# Altium PCB RF.PcbDoc (part 4 of 5) (continued)
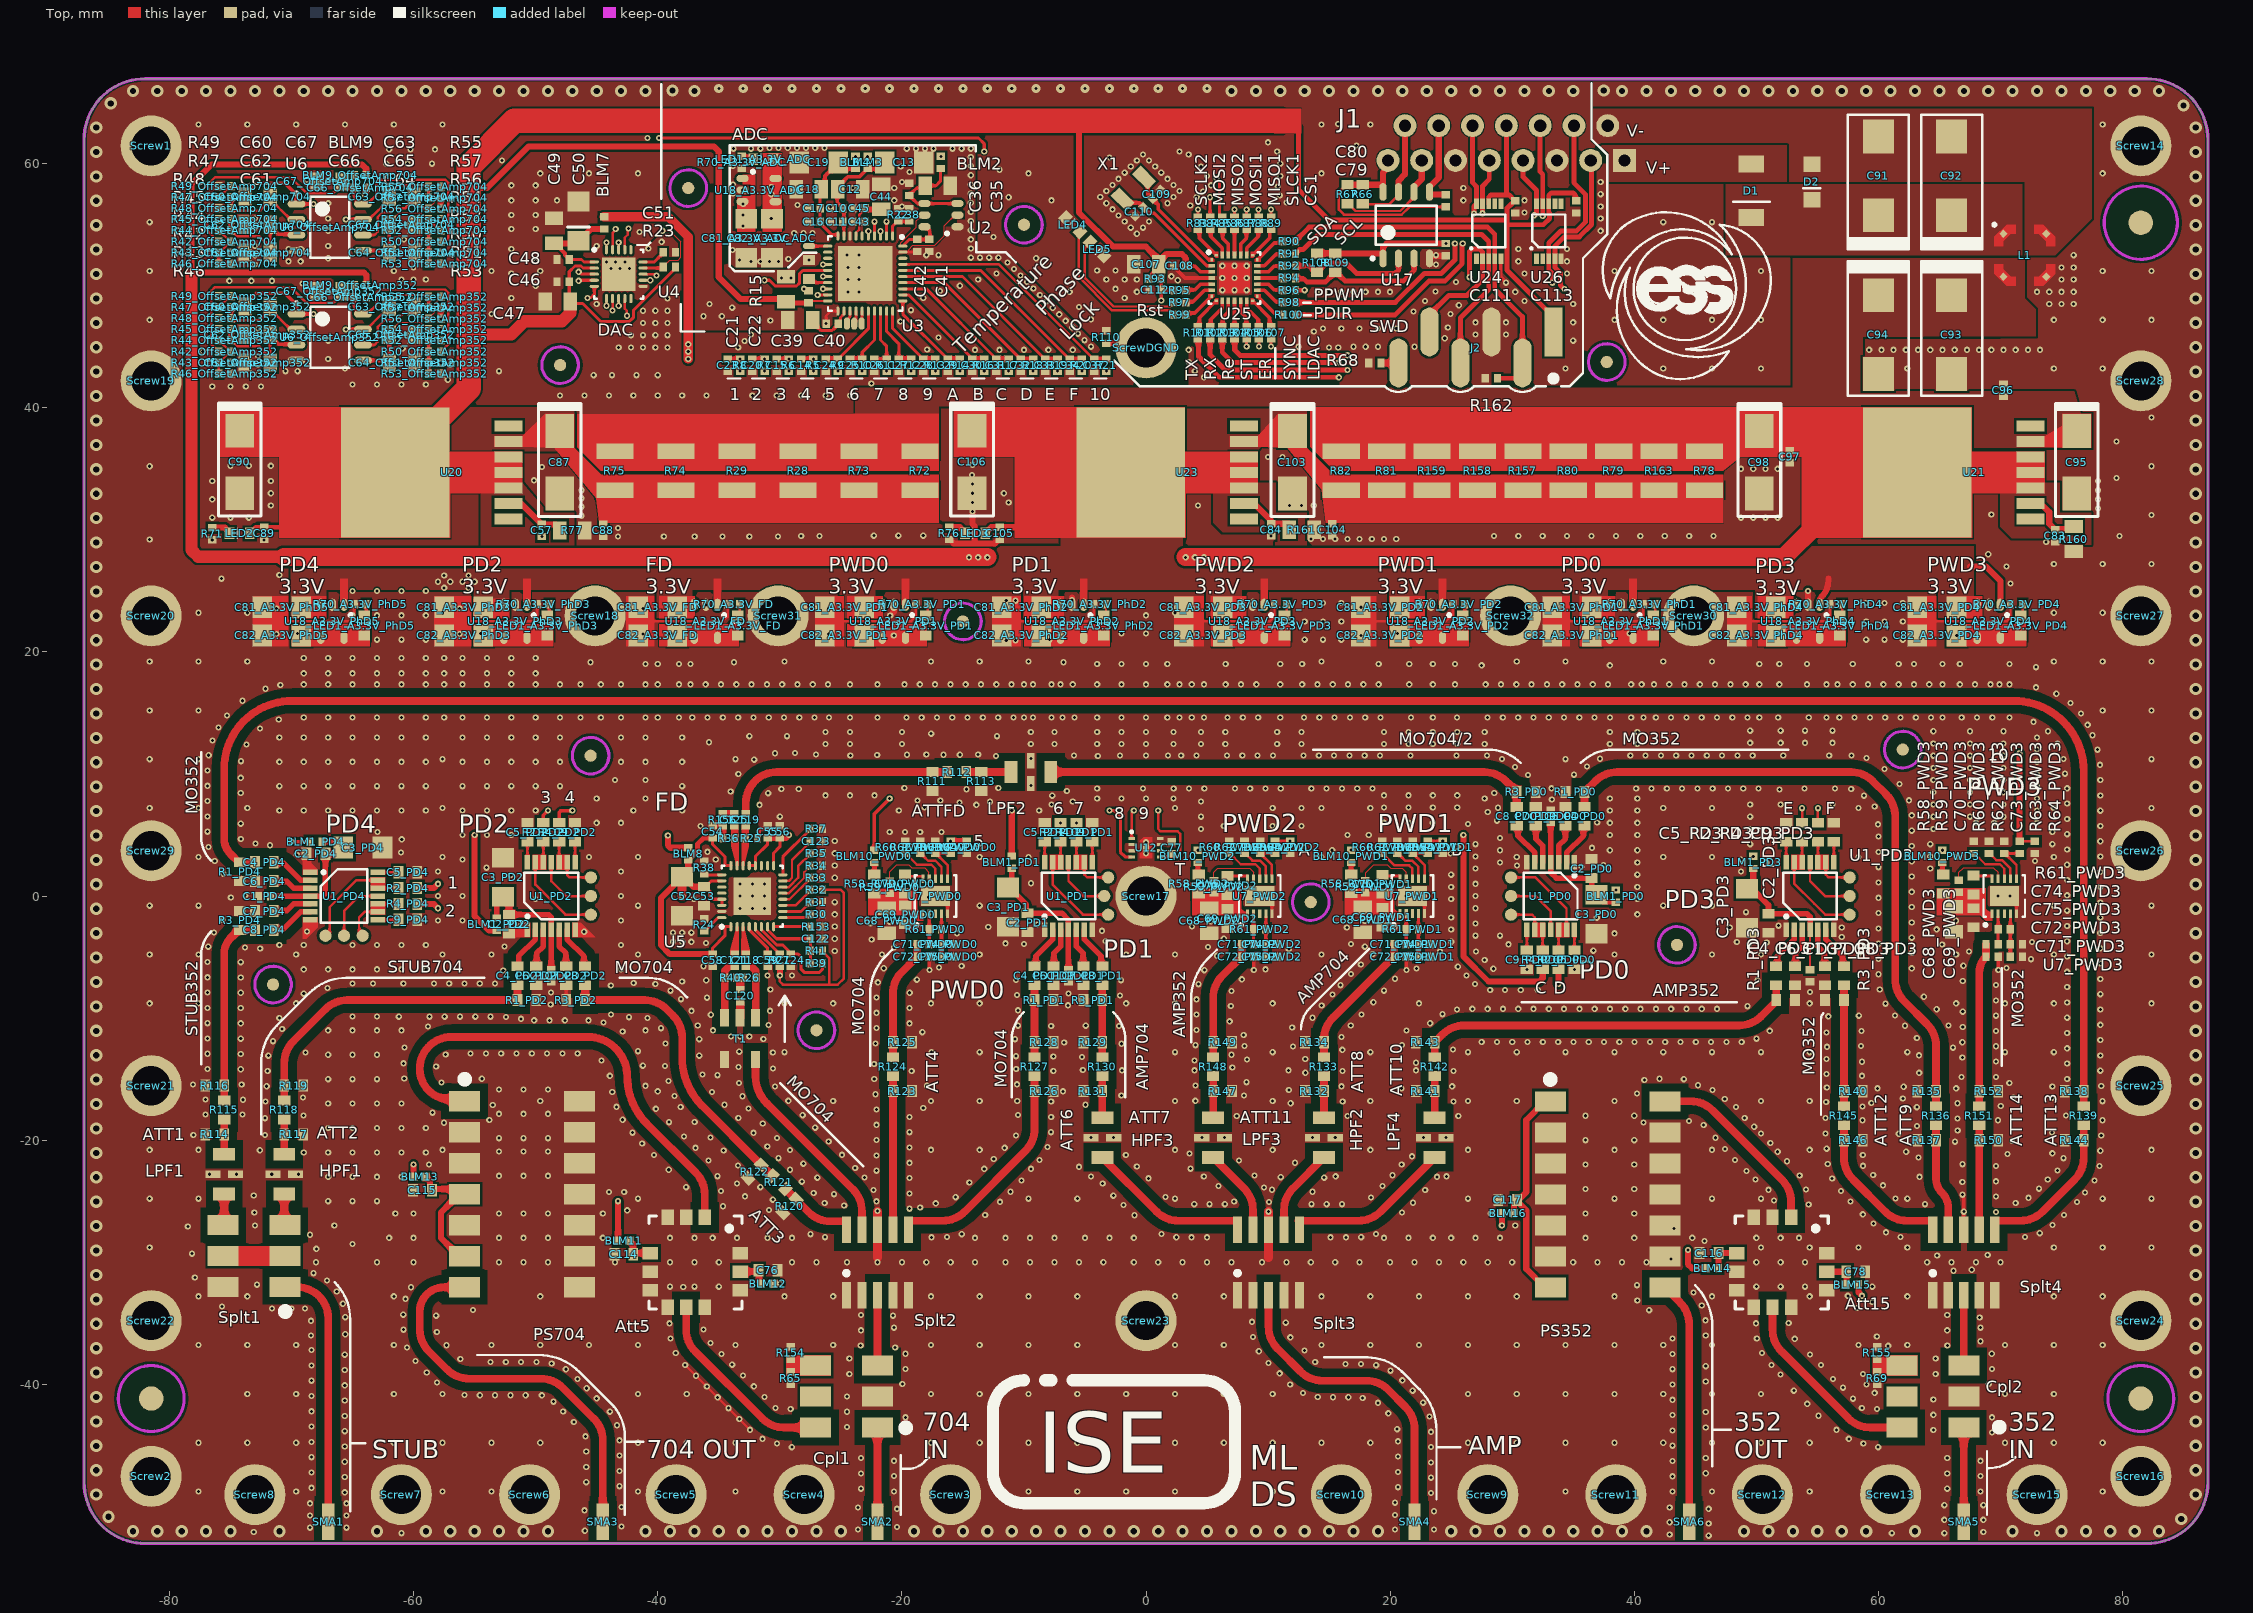
[diagram p0: Top view]
## Nets (pads, with @x,y where several pads share a name; then routed paths per layer and width w, separated by ;. In a path a pad name is that pad's centre, name@x,y a point inside that pad or via, vN(x,y) a via of type N, cw(c..) or ccw(c..) an arc to the next point about the centre after c; other vN are vias at no path point) (continued)
  Top w0.25: C71_PWD0.2@-17.755,-3.96 R61_PWD0.1@-17.755,-2.71 U7_PWD0.2@-17.755,-1.66
NetC71_PWD1_1: C71_PWD1.1 C72_PWD1.1 R133.2 R134.2 | length 11.9
  Top w0.635: R133.2@14.575,-13.2 R134.2@14.575,-11.975 ; R134.2@14.575,-11.752 cw(c17.115,-11.752) 15.319,-9.956 C72_PWD1.1@20.287,-4.987 ; R134.2@14.65,-12.08 14.65,-11.377 ; C72_PWD1.1@20.32,-4.955 C71_PWD1.1@20.32,-3.955
NetC71_PWD1_2: C71_PWD1.2 R61_PWD1.1 U7_PWD1.2 | length 2.3
  Top w0.25: C71_PWD1.2@21.32,-3.955 R61_PWD1.1@21.32,-2.705 U7_PWD1.2@21.32,-1.655
NetC71_PWD2_1: C71_PWD2.1 C72_PWD2.1 R148.2 R149.2 | length 10
  Top w0.635: R148.2@5.5,-13.125 R149.2@5.5,-11.975 5.5,-8.332 cw(c8.04,-8.332) 6.244,-6.536 C72_PWD2.1@7.82,-4.96 C71_PWD2.1@7.82,-3.96
NetC71_PWD2_2: C71_PWD2.2 R61_PWD2.1 U7_PWD2.2 | length 2.3
  Top w0.25: C71_PWD2.2@8.82,-3.96 R61_PWD2.1@8.82,-2.71 U7_PWD2.2@8.82,-1.66
NetC71_PWD3_1: C71_PWD3.1 C72_PWD3.1 R151.2 R152.2 | length 13.4
  Top w0.635: R151.2@68.27,-17.225 R152.2@68.27,-16 68.27,-6.275 cw(c70.13,-6.275) C72_PWD3.1@68.815,-4.96 C71_PWD3.1@68.815,-3.96
NetC71_PWD3_2: C71_PWD3.2 R61_PWD3.1 U7_PWD3.2 | length 2.3
  Top w0.25: C71_PWD3.2@69.815,-3.96 R61_PWD3.1@69.815,-2.71 U7_PWD3.2@69.815,-1.66
NetC73_PWD0_1: C73_PWD0.1 R63_PWD0.1 U7_PWD0.6 | length 3.5
  Top w0.2: U7_PWD0.6@-16.255,1.64 -16.255,2.54 -17.205,3.49 C73_PWD0.1@-17.255,3.49 R63_PWD0.1@-16.005,3.49
NetC73_PWD1_1: C73_PWD1.1 R63_PWD1.1 U7_PWD1.6 | length 3.5
  Top w0.2: U7_PWD1.6@22.82,1.645 22.82,2.545 21.87,3.495 21.82,3.495 R63_PWD1.1@23.07,3.495
NetC73_PWD2_1: C73_PWD2.1 R63_PWD2.1 U7_PWD2.6 | length 3.5
  Top w0.2: U7_PWD2.6@10.32,1.645 10.32,2.545 9.37,3.495 9.32,3.495 R63_PWD2.1@10.57,3.495
NetC73_PWD3_1: C73_PWD3.1 R63_PWD3.1 U7_PWD3.6 | length 3.5
  Top w0.2: U7_PWD3.6@71.315,1.64 71.315,2.54 70.365,3.49 C73_PWD3.1@70.315,3.49 R63_PWD3.1@71.565,3.49
NetC74_PWD0_1: C74_PWD0.1 C75_PWD0.1 R61_PWD0.2 U7_PWD0.4 | length 3.3
  Top w0.25: C75_PWD0.1@-16.755,-4.96 C74_PWD0.1@-16.755,-3.96 R61_PWD0.2@-16.755,-2.71 U7_PWD0.4@-16.755,-1.66
NetC74_PWD1_1: C74_PWD1.1 C75_PWD1.1 R61_PWD1.2 U7_PWD1.4 | length 3.3
  Top w0.25: C75_PWD1.1@22.32,-4.955 C74_PWD1.1@22.32,-3.955 R61_PWD1.2@22.32,-2.705 U7_PWD1.4@22.32,-1.655
NetC74_PWD2_1: C74_PWD2.1 C75_PWD2.1 R61_PWD2.2 U7_PWD2.4 | length 3.3
  Top w0.25: C75_PWD2.1@9.82,-4.96 C74_PWD2.1@9.82,-3.96 R61_PWD2.2@9.82,-2.71 U7_PWD2.4@9.82,-1.66
NetC74_PWD3_1: C74_PWD3.1 C75_PWD3.1 R61_PWD3.2 U7_PWD3.4 | length 3.3
  Top w0.25: C75_PWD3.1@70.815,-4.96 C74_PWD3.1@70.815,-3.96 R61_PWD3.2@70.815,-2.71 U7_PWD3.4@70.815,-1.66
NetC80_1: C80.1 J1.14 U17.5 | length 7.3
  Top w0.5: J1.14@23.985,63.115 23.985,58.865 23.23,58.11 U17.5@23.23,57.685 23.23,57.46 C80.1@24.575,57.46
NetC80_2: C80.2 J1.8 R66.1 R67.1 U17.8 | length 17.1
  Top w0.2: R67.1@16.5,58.275 16.4,58.275 15.8,57.675 15.8,56.242 16.217,55.825 20.949,55.825 21.585,56.46 C80.2@24.575,56.46
  Top w0.5: R67.1@16.5,58.275 R66.1@17.75,58.275 19.256,58.275 U17.8@19.42,58.11 ; U17.8@19.42,57.685 U17.8@19.42,58.11 ; J1.8@19.82,60.035 19.82,59.689 19.42,59.289 U17.8@19.42,58.11
NetC83_2: C83.2 R160.2 U21.2 | length 5.8
  Top w0.5: U21.2@72.471,32.165 U21.2@73.335,32.165 ; U21.2@73.349,32.099 74,31.448 74,30.5 74.4,30.1 74.4,30.05 74.45,30 C83.2@74.5,30 74.55,30.05 R160.2@75.975,30.05 ; R160.2@75.975,30 R160.2@75.975,30.05 ; R160.2@75.975,30.5 R160.2@75.975,30.05 ; R160.2@76.25,30.25 76.05,30.05 R160.2@75.975,30.05
NetC84_2: C84.2 R161.2 U23.2 | length 4.6
  Top w0.5: U23.2@8.013,32.165 8.842,32.165 10.25,30.756 C84.2@10.25,30.5 R161.2@11.725,30.5
NetC87_+: C87.+ C88.2 R28.2 R29.2 R72.2 R73.2 R74.2 R75.2 U20.6 | length 1.4
  Top w0.5: R75.2@-44.46,32.86 -44.075,33.245 R75.2@-43.505,33.245
  Top w1.5: C87.+@-48.025,37.86 C87.+@-48.025,38.11
NetC91_+: C91.+ C92.+ D1.2 D2.K L1.1
NetC93_+: C93.+ C94.+ C95.+ C96.2 L1.2 R28.1 R29.1 R72.1 R73.1 R74.1 R75.1 U21.6
NetC103_+: C103.+ C104.2 R78.2 R79.2 R80.2 R81.2 R82.2 R157.2 R158.2 R159.2 R163.2 U23.6
NetC109_2: C109.2 U25.1 X1.2 | length 9
  Top w0.3: X1.2@-0.146,58.724 0.137,58.441 0.137,57.509 C109.2@0.513,57.133 1,56.646 1,56.269 5.134,52.135 U25.1@5.375,52.135
NetC110_2: C110.2 U25.2 X1.1 | length 9.7
  Top w0.3: X1.1@-1.785,57.085 X1.1@-1.913,57.085 -1.631,56.802 -0.57,56.802 C110.2@-0.194,56.426 0.293,55.939 0.671,55.939 4.975,51.635 U25.2@5.375,51.635
NetC118_1: C118.1 U5.3
NetC118_2: C118.2 R26.1 T1.3 | length 4.8
  Top w0.6: C118.2@-32.804,-5.75 -32.35,-5.75 -31.984,-6.116 R26.1@-31.984,-6.7 T1.3@-31.984,-9.97
NetC119_1: C119.1 R111.2 R112.1 | length 18.7
  Top w0.635: C119.1@-32.784,6.9 -32.784,7.62 cw(c-30.244,7.62) -30.244,10.16 R111.2@-17.5,10.16 R112.1@-16.275,10.16
NetC119_2: C119.2 R25.2 U5.22 | length 1
  Top w0.6: R25.2@-32.829,4.75 -32.829,5.75 C119.2@-32.784,5.75
NetC120_1: C120.1 R26.2 R40.1 | length 1.1
  Top w0.6: R40.1@-33.524,-6.7 R26.2@-33.254,-6.7
  Top w0.7: C120.1@-33.254,-7.554 R26.2@-33.254,-6.7
NetC121_1: C121.1 U5.2
NetC121_2: C121.2 R40.2 T1.1 | length 4.8
  Top w0.6: T1.1@-34.524,-9.97 R40.2@-34.524,-6.7 -34.524,-6.124 -34.15,-5.75 C121.2@-33.704,-5.75
NetC122_1: C122.1 R39.1 R41.1 U5.7 | length 6.1
  Top w0.25: U5.7@-31.004,-2.512 -31.004,-2.762 -30.266,-3.5 C122.1@-27.5,-3.5 R41.1@-27.5,-4.5 R39.1@-27.5,-5.5
NetC123_1: C123.1 U5.15 | length 4.5
  Top w0.2: U5.15@-29.754,1.238 -29.262,1.238 -29,1.5 -29,2.95 -27.5,4.45 C123.1@-27.5,4.5
NetC125_1: C125.1 R156.2 | length 1
  Top w0.6: R156.2@-34.679,6.75 C125.1@-33.724,6.75
NetC125_2: C125.2 R36.1 U5.23 | length 1
  Top w0.6: C125.2@-33.724,5.75 -33.679,5.75 R36.1@-33.679,4.75
NetCpl1_1: Cpl1.1 SMA2.0 | length 7.4
  Top w0.635: SMA2.0@-22,-50.94 Cpl1.1@-22,-43.54
NetCpl1_3: Cpl1.3 Splt2.3 | length 5.8
  Top w0.635: Cpl1.3@-22,-38.46 Splt2.3@-22,-32.695
NetCpl1_4: Cpl1.4 R65.1 R154.1
NetCpl2_1: Cpl2.1 SMA5.0 | length 7.4
  Top w0.635: SMA5.0@67,-50.94 Cpl2.1@67,-43.54
NetCpl2_3: Cpl2.3 Splt4.3 | length 5.8
  Top w0.635: Cpl2.3@67,-38.46 Splt4.3@67,-32.695
NetCpl2_4: Cpl2.4 R69.1 R155.1
NetHPF1_1: HPF1.1 Splt1.3 | length 2.5
  Top w0.635: Splt1.3@-70.6,-26.88 HPF1.1@-70.6,-24.415
NetHPF1_3: HPF1.3 R117.2 R118.1 | length 2.9
  Top w0.635: HPF1.3@-70.6,-21.165 R117.2@-70.6,-19.525 R118.1@-70.6,-18.3
NetHPF2_1: HPF2.1 Splt3.7 | length 7.2
  Top w0.635: Splt3.7@11.308,-27.335 11.308,-25.735 cw(c13.848,-25.735) 12.051,-23.939 HPF2.1@14.575,-21.415
NetHPF2_3: HPF2.3 R132.2 R133.1 | length 3.3
  Top w0.635: HPF2.3@14.575,-18.165 R132.2@14.575,-15.975 R133.1@14.575,-14.825
NetHPF3_1: HPF3.1 Splt3.10 | length 13.1
  Top w0.635: HPF3.1@-3.575,-21.415 0.866,-25.856 ccw(c2.662,-24.06) 2.662,-26.6 Splt3.10@7.5,-26.6
NetHPF3_3: HPF3.3 R130.1 R131.2 | length 3.4
  Top w0.635: HPF3.3@-3.575,-18.165 R131.2@-3.575,-15.975 R130.1@-3.575,-14.75
NetJ1_7: J1.7 R67.2 U17.6 | length 9.5
  Top w0.2: R67.2@16.5,56.725 16.567,56.725 17.167,56.125 20.825,56.125 U17.6@21.96,57.26
  Top w0.4: R67.2@16.5,56.651 R67.2@16.5,56.725 ; U17.6@21.96,57.26 U17.6@21.96,57.685
  Top w0.5: U17.6@21.96,57.685 21.96,58.11 22.588,58.738 J1.7@22.588,60.27
NetJ1_15: J1.15 R66.2 U17.7 | length 9.4
  Top w0.2: R66.2@17.815,56.66 19.913,56.66 20.567,57.314 U17.7@20.69,57.438
  Top w0.4: R66.2@17.75,56.725 R66.2@17.815,56.66 ; U17.7@20.69,57.19 20.69,57.438 U17.7@20.69,57.685
  Top w0.5: U17.7@20.69,57.685 20.69,58.59 21.217,59.117 J1.15@21.217,63.115
NetJ2_2: J2.2 R90.1 R162.2 U24.4 | length 31.5
  Top w0.4: R90.1@12.25,53.635 12.25,53.685 13.366,54.8 28,54.8 28.575,54.225 U24.4@28.575,52.21 28.575,49.734 30.84,47.469 J2.2@30.84,43.67 30.84,43.028 30.232,42.42 R162.2@28.8,42.42
NetJ2_4: J2.4 R91.1 U24.3 | length 27.6
  Top w0.4: R91.1@12.25,52.635 12.575,52.96 12.86,52.96 14.1,54.2 27.5,54.2 28.075,53.625 U24.3@28.075,52.21 28.075,49.668 25.76,47.353 J2.4@25.76,43.67
NetJ2_6: J2.6 R68.2 | length 1.4
  Top w0.5: R68.2@19.25,43.67 J2.6@20.68,43.67
NetLED1_A3.3V_ADC_K: LED1_A3.3V_ADC.K R70_A3.3V_ADC.2 | length 1
  Top w0.2: R70_A3.3V_ADC.2@-33.1,60.625 -32.35,60.625 LED1_A3.3V_ADC.K@-32.175,60.45
NetLED1_A3.3V_FD_K: LED1_A3.3V_FD.K R70_A3.3V_FD.2 | length 1
  Top w0.2: LED1_A3.3V_FD.K@-33.45,22.985 -33.275,23.16 R70_A3.3V_FD.2@-33.275,23.91
NetLED1_A3.3V_PD1_K: LED1_A3.3V_PD1.K R70_A3.3V_PD1.2 | length 1
  Top w0.2: LED1_A3.3V_PD1.K@-18.05,22.985 -17.875,23.16 R70_A3.3V_PD1.2@-17.875,23.91
NetLED1_A3.3V_PD2_K: LED1_A3.3V_PD2.K R70_A3.3V_PD2.2 | length 1
  Top w0.2: LED1_A3.3V_PD2.K@25.95,22.985 26.125,23.16 R70_A3.3V_PD2.2@26.125,23.91
NetLED1_A3.3V_PD3_K: LED1_A3.3V_PD3.K R70_A3.3V_PD3.2 | length 1
  Top w0.2: LED1_A3.3V_PD3.K@11.35,22.985 11.525,23.16 R70_A3.3V_PD3.2@11.525,23.91
NetLED1_A3.3V_PD4_K: LED1_A3.3V_PD4.K R70_A3.3V_PD4.2 | length 1
  Top w0.2: LED1_A3.3V_PD4.K@71.65,22.985 71.825,23.16 R70_A3.3V_PD4.2@71.825,23.91
NetLED1_A3.3V_PhD1_K: LED1_A3.3V_PhD1.K R70_A3.3V_PhD1.2 | length 1
  Top w0.2: LED1_A3.3V_PhD1.K@41.55,22.985 41.725,23.16 R70_A3.3V_PhD1.2@41.725,23.91
NetLED1_A3.3V_PhD2_K: LED1_A3.3V_PhD2.K R70_A3.3V_PhD2.2 | length 1
  Top w0.2: LED1_A3.3V_PhD2.K@-3.45,22.985 -3.275,23.16 R70_A3.3V_PhD2.2@-3.275,23.91
NetLED1_A3.3V_PhD3_K: LED1_A3.3V_PhD3.K R70_A3.3V_PhD3.2 | length 1
  Top w0.2: LED1_A3.3V_PhD3.K@-49.05,22.985 -48.875,23.16 R70_A3.3V_PhD3.2@-48.875,23.91
NetLED1_A3.3V_PhD4_K: LED1_A3.3V_PhD4.K R70_A3.3V_PhD4.2 | length 1
  Top w0.2: LED1_A3.3V_PhD4.K@56.85,22.985 57.025,23.16 R70_A3.3V_PhD4.2@57.025,23.91
NetLED1_A3.3V_PhD5_K: LED1_A3.3V_PhD5.K R70_A3.3V_PhD5.2 | length 1
  Top w0.2: LED1_A3.3V_PhD5.K@-64.05,22.985 -63.875,23.16 R70_A3.3V_PhD5.2@-63.875,23.91
NetLED2_K: LED2.K R71.2 | length 1.7
  Top w0.5: R71.2@-76.5,30.185 -75.475,30.185 -75.075,29.785 LED2.K@-75.075,29.71
NetLED3_K: LED3.K R76.2 | length 1.6
  Top w0.5: R76.2@-16.125,30.21 -15.25,30.21 -14.825,29.785 LED3.K@-14.825,29.71
NetLED4_A: LED4.A R99.1 | length 12.8
  Top w0.2: LED4.A@-5.417,54.417 -5.417,53.992 -5.502,53.907 -5.502,50.702 -2.785,47.985 1.95,47.985 2.25,47.685 R99.1@2.25,47.635
NetLED5_A: LED5.A R97.1 | length 11.6
  Top w0.2: LED5.A@-4.5,53.6 -5,53.1 -5,50.624 -2.676,48.3 1.966,48.3 2.25,48.585 R97.1@2.25,48.635
NetLPF1_1: LPF1.1 Splt1.4 | length 2.5
  Top w0.635: Splt1.4@-75.52,-26.88 LPF1.1@-75.52,-24.415
NetLPF1_3: LPF1.3 R114.2 R115.1 | length 2.5
  Top w0.635: LPF1.3@-75.52,-21.165 R115.1@-75.52,-18.625
NetLPF2_1: LPF2.1 R112.2 R113.2 | length 3.4
  Top w0.635: R112.2@-14.725,10.16 R113.2@-13.5,10.16 ; R113.2@-13.215,10.16 LPF2.1@-11.059,10.16
NetLPF3_1: LPF3.1 Splt3.9 | length 7.2
  Top w0.635: LPF3.1@5.5,-21.415 8.024,-23.939 cw(c6.228,-25.735) 8.768,-25.735 Splt3.9@8.768,-27.335
NetLPF3_3: LPF3.3 R147.2 R148.1 | length 3.2
  Top w0.635: LPF3.3@5.5,-18.165 R148.1@5.5,-14.975
NetLPF4_1: LPF4.1 Splt3.6 | length 13.2
  Top w0.635: Splt3.6@12.5,-26.6 17.413,-26.6 ccw(c17.413,-24.06) 19.209,-25.856 LPF4.1@23.65,-21.415
NetLPF4_3: LPF4.3 R141.2 R142.1 | length 3.4
  Top w0.635: LPF4.3@23.65,-18.165 R141.2@23.65,-15.975 R142.1@23.65,-14.75
NetPS352_8: PS352.8 SMA6.0 | length 20.2
  Top w0.635: PS352.8@42.525,-32.07 43.756,-33.301 cw(c41.96,-35.097) 44.5,-35.097 SMA6.0@44.5,-51.54
NetPS704_7: PS704.7 SMA3.0 | length 32.5
  Top w0.635: PS704.7@-55.825,-32.05 -57.51,-32.05 ccw(c-57.51,-34.04) -59.5,-34.04 -59.5,-35.488 ccw(c-56.96,-35.488) -58.756,-37.284 -57.244,-38.796 ccw(c-55.448,-37) -55.448,-39.54 -49.581,-39.54 cw(c-49.581,-42.08) -47.785,-40.284 -45.259,-42.811 -45.03,-43.04 ; -45.244,-42.796 cw(c-47.04,-44.592) -45.03,-43.04 ; SMA3.0@-44.5,-50.94 -44.5,-44.592 ccw(c-47.04,-44.592) -45.03,-43.04
NetR2_PD0_2: pad.TPREF@29.9,1.525 R2_PD0.2 U1_PD0.12 U1_PD0.13 | length 9
  Top w0.2: pad.TPREF@29.9,1.525 31.9,1.525 32.8,0.625 34.45,-1.025 U1_PD0.13@34.45,-2.775 ; R2_PD0.2@33.8,-4.45 U1_PD0.12@33.8,-2.775
NetR2_PD1_2: pad.TPREF@-3.1,-1.525 R2_PD1.2 U1_PD1.12 U1_PD1.13 | length 9.1
  Top w0.2: U1_PD1.13@-7.65,2.775 -7.65,0.96 -5.165,-1.525 pad.TPREF@-3.1,-1.525 ; U1_PD1.12@-7,2.775 R2_PD1.2@-7,4.45
NetR2_PD2_2: pad.TPREF@-45.475,-1.525 R2_PD2.2 U1_PD2.12 U1_PD2.13 | length 9.1
  Top w0.2: U1_PD2.13@-50.025,2.775 -50.025,0.935 -47.565,-1.525 pad.TPREF@-45.475,-1.525 ; U1_PD2.12@-49.375,2.775 R2_PD2.2@-49.375,4.45
NetR2_PD3_2: pad.TPREF@57.65,-1.525 R2_PD3.2 U1_PD3.12 U1_PD3.13 | length 9
  Top w0.2: U1_PD3.13@53.1,2.775 53.1,1.025 54.75,-0.625 55.65,-1.525 pad.TPREF@57.65,-1.525 ; U1_PD3.12@53.75,2.775 R2_PD3.2@53.75,4.45
NetR2_PD4_2: pad.TPREF@-67.225,-3.25 R2_PD4.2 U1_PD4.12 U1_PD4.13 | length 9
  Top w0.2: pad.TPREF@-67.225,-3.25 -66.871,-2.896 -66.871,-0.896 -64.675,1.3 U1_PD4.13@-62.925,1.3 ; U1_PD4.12@-62.925,0.65 R2_PD4.2@-61.25,0.65
NetR4_PD0_2: pad.TPREF@29.9,-1.525 R4_PD0.2 U1_PD0.9 U1_PD0.10 | length 4.7
  Top w0.2: pad.TPREF@29.9,-1.525 31.635,-1.525 31.85,-1.74 U1_PD0.9@31.85,-2.775 ; R4_PD0.2@32.5,-4.45 U1_PD0.10@32.5,-2.775
NetR4_PD1_2: pad.TPREF@-3.1,1.525 R4_PD1.2 U1_PD1.9 U1_PD1.10 | length 4.7
  Top w0.2: U1_PD1.10@-5.7,2.775 R4_PD1.2@-5.7,4.45 ; U1_PD1.9@-5.05,2.775 -5.05,1.76 -4.815,1.525 pad.TPREF@-3.1,1.525
NetR4_PD2_2: pad.TPREF@-45.475,1.525 R4_PD2.2 U1_PD2.9 U1_PD2.10 | length 4.8
  Top w0.2: U1_PD2.10@-48.075,2.775 R4_PD2.2@-48.075,4.45 ; U1_PD2.9@-47.425,2.775 -47.425,1.735 -47.215,1.525 pad.TPREF@-45.475,1.525
NetR4_PD3_2: pad.TPREF@57.65,1.525 R4_PD3.2 U1_PD3.9 U1_PD3.10 | length 4.7
  Top w0.2: U1_PD3.10@55.05,2.775 R4_PD3.2@55.05,4.45 ; U1_PD3.9@55.7,2.775 55.7,1.74 55.915,1.525 pad.TPREF@57.65,1.525
NetR4_PD4_2: pad.TPREF@-64.175,-3.25 R4_PD4.2 U1_PD4.9 U1_PD4.10 | length 5
  Top w0.2: pad.TPREF@-64.175,-3.25 -64.475,-2.95 -64.475,-1.75 -64.025,-1.3 U1_PD4.9@-62.925,-1.3 ; U1_PD4.10@-62.925,-0.65 R4_PD4.2@-61.25,-0.65
NetR15_1: R15.1 U3.17 | length 1.3
  Top w0.25: R15.1@-27.4,50.25 U3.17@-26.075,50.25
NetR23_2: R23.2 R96.1 U4.14 | length 79.3
  Top w0.1: v1(-39.6,54.5) -39,54.5 -38.1,53.6 -38.1,52.323 -38.323,52.1 -39.035,52.1 -39.5,51.635 R23.2@-39.5,51.5
  Top w0.25: U4.14@-41.2,51.45 -39.635,51.45 R23.2@-39.55,51.535 ; v1(-39.9,62.1) -13.72,62.1 -13.25,61.63 v1(-13.25,61)
  Top w0.4: R96.1@12.385,49.635 v1(13,49.635)
  Internal w0.25: v1(-39.9,62.1) -39.5,61.7 v1@-39.5,54.6 ; v1(-13.25,61) -9.75,61 6.76,44.49 10.74,44.49 11.614,45.364 11.72,45.47 12.03,45.78 13,46.75 v1(13,49.635)
NetR24_1: R24.1 U5.32 | length 1.9
  Top w0.25: R24.1@-36.2,-2.862 -36.15,-2.862 -35.05,-1.762 U5.32@-34.754,-1.762
NetR27_1: R27.1 U5.5 | length 3.1
  Top w0.25: U5.5@-32.004,-2.512 -32.004,-2.762 -30.221,-4.545 -30.221,-4.575 -30.046,-4.75 R27.1@-29.996,-4.75
NetR30_1: R30.1 U5.9 | length 2.4
  Top w0.25: U5.9@-29.754,-1.762 -27.762,-1.762 R30.1@-27.5,-1.5
NetR31_1: R31.1 U5.10 | length 2.6
  Top w0.25: U5.10@-29.754,-1.262 -28.262,-1.262 R31.1@-27.5,-0.5
NetR32_1: R32.1 U5.11 | length 2.8
  Top w0.2: U5.11@-29.754,-0.762 -28.712,-0.762 -27.5,0.45 R32.1@-27.5,0.5
NetR33_1: R33.1 U5.12 | length 3
  Top w0.2: U5.12@-29.754,-0.262 -29.212,-0.262 -27.5,1.45 R33.1@-27.5,1.5
NetR34_1: R34.1 U5.13 | length 3.5
  Top w0.2: U5.13@-29.754,0.238 -29.262,0.238 -28,1.5 -28,1.95 -27.5,2.45 R34.1@-27.5,2.5
NetR35_1: R35.1 U5.14 | length 4
  Top w0.2: U5.14@-29.754,0.738 -29.262,0.738 -28.5,1.5 -28.5,2.45 -27.5,3.45 R35.1@-27.5,3.5
NetR37_1: R37.1 U5.16 | length 4.7
  Top w0.25: U5.16@-29.754,1.738 -29.754,3.214 -27.693,5.275 -27.675,5.275 -27.5,5.45 R37.1@-27.5,5.5
NetR38_1: R38.1 U5.25 | length 1.5
  Top w0.25: R38.1@-36.2,1.838 -36.1,1.738 U5.25@-34.754,1.738
NetR42_OffsetAmp352_1: R42_OffsetAmp352.1 R43_OffsetAmp352.2 R44_OffsetAmp352.1 R46_OffsetAmp352.2 | length 3.6
  Top w0.2: R46_OffsetAmp352.2@-75.975,42.79 R43_OffsetAmp352.2@-75.975,43.69 R42_OffsetAmp352.1@-74.975,44.59 ; R44_OffsetAmp352.1@-75.975,45.527 R42_OffsetAmp352.1@-74.975,44.627
NetR42_OffsetAmp704_1: R42_OffsetAmp704.1 R43_OffsetAmp704.2 R44_OffsetAmp704.1 R46_OffsetAmp704.2 | length 3.6
  Top w0.2: R46_OffsetAmp704.2@-75.975,51.79 R43_OffsetAmp704.2@-75.975,52.69 R42_OffsetAmp704.1@-74.975,53.59 ; R44_OffsetAmp704.1@-75.975,54.527 R42_OffsetAmp704.1@-74.975,53.627
NetR50_OffsetAmp352_1: R50_OffsetAmp352.1 R51_OffsetAmp352.2 R52_OffsetAmp352.1 R53_OffsetAmp352.2 | length 2.7
  Top w0.2: R53_OffsetAmp352.2@-58.775,42.79 R51_OffsetAmp352.2@-58.775,43.69 R50_OffsetAmp352.1@-58.775,44.59 R52_OffsetAmp352.1@-58.775,45.527
NetR50_OffsetAmp704_1: R50_OffsetAmp704.1 R51_OffsetAmp704.2 R52_OffsetAmp704.1 R53_OffsetAmp704.2 | length 2.7
  Top w0.2: R53_OffsetAmp704.2@-58.775,51.79 R51_OffsetAmp704.2@-58.775,52.69 R50_OffsetAmp704.1@-58.775,53.59 R52_OffsetAmp704.1@-58.775,54.527
NetR59_PWD0_2: R59_PWD0.2 U7_PWD0.9 | length 4.8
  Top w0.1: R59_PWD0.2@-20.98,1.21 -20.98,2.01 -20.43,2.56 -19.43,2.56 -19.18,2.31 -18.125,2.31 -17.784,1.969 -17.784,1.669 U7_PWD0.9@-17.755,1.64
NetR59_PWD1_2: R59_PWD1.2 U7_PWD1.9 | length 4.8
  Top w0.1: R59_PWD1.2@17.97,1.26 18.02,1.26 18.02,1.91 18.67,2.56 19.77,2.56 20.07,2.26 21.005,2.26 21.32,1.945 U7_PWD1.9@21.32,1.645
NetR59_PWD2_2: R59_PWD2.2 U7_PWD2.9 | length 4.5
  Top w0.1: R59_PWD2.2@5.57,1.26 5.57,1.96 5.87,2.26 8.5,2.26 8.82,1.94 U7_PWD2.9@8.82,1.64
NetR59_PWD3_2: R59_PWD3.2 U7_PWD3.9 | length 4.5
  Top w0.1: R59_PWD3.2@66.6,1.3 66.6,1.95 66.977,2.327 69.427,2.327 69.815,1.94 U7_PWD3.9@69.815,1.64
NetR60_PWD0_2: R60_PWD0.2 U7_PWD0.8 | length 3.6
  Top w0.2: R60_PWD0.2@-19.755,3.49 R60_PWD0.2@-19.73,3.49 -19.705,3.49 -18.775,2.56 -17.575,2.56 -17.255,2.24 U7_PWD0.8@-17.255,1.64
NetR60_PWD1_2: R60_PWD1.2 U7_PWD1.8 | length 3.6
  Top w0.2: R60_PWD1.2@19.32,3.495 R60_PWD1.2@19.345,3.495 19.37,3.495 20.355,2.51 21.555,2.51 21.82,2.245 U7_PWD1.8@21.82,1.645
NetR60_PWD2_2: R60_PWD2.2 U7_PWD2.8 | length 3.6
  Top w0.2: R60_PWD2.2@6.82,3.495 6.87,3.495 7.765,2.6 8.965,2.6 9.32,2.245 U7_PWD2.8@9.32,1.645
NetR60_PWD3_2: R60_PWD3.2 U7_PWD3.8 | length 3.6
  Top w0.2: R60_PWD3.2@67.815,3.49 67.865,3.49 68.755,2.6 69.955,2.6 70.315,2.24 U7_PWD3.8@70.315,1.64
NetR62_PWD0_2: R62_PWD0.2 U7_PWD0.7 | length 3
  Top w0.2: R62_PWD0.2@-18.505,3.49 -18.455,3.49 -17.853,2.888 -17.254,2.888 -16.755,2.389 U7_PWD0.7@-16.755,1.64
NetR62_PWD1_2: R62_PWD1.2 U7_PWD1.7 | length 2.9
  Top w0.2: R62_PWD1.2@20.595,3.495 20.645,3.495 21.255,2.885 21.825,2.885 22.31,2.4 22.31,1.655 U7_PWD1.7@22.32,1.645
NetR62_PWD2_2: R62_PWD2.2 U7_PWD2.7 | length 3
  Top w0.2: R62_PWD2.2@8.07,3.495 8.12,3.495 8.714,2.901 9.333,2.901 9.82,2.414 U7_PWD2.7@9.82,1.645
NetR62_PWD3_2: R62_PWD3.2 U7_PWD3.7 | length 2.9
  Top w0.2: R62_PWD3.2@69.065,3.49 69.115,3.49 69.655,2.95 70.123,2.95 70.815,2.258 U7_PWD3.7@70.815,1.64
NetR83_1: R83.1 U3.16 | length 70.1
  Top w0.25: v1(-26.462,50.75) U3.16@-26.075,50.75 ; R83.1@4.25,55.635 v1(4.25,56.25)
  Internal w0.2: -34.457,50.75 -34.435,50.728 ; v1@-26.467,50.755 v1(-26.462,50.75)
  Internal w0.25: -34.457,50.75 -35.5,51.793 -35.5,61.631 -34.481,62.65 3.691,62.65 6.975,59.366 6.975,58.034 5.191,56.25 v1(4.25,56.25) ; -34.435,50.728 -33.627,49.92 -29.061,49.92 -28.35,50.63 -26.582,50.63 v1(-26.462,50.75)
NetR83_2: R83.2 U25.28 | length 2.6
  Top w0.3: R83.2@4.375,54.51 4.375,53.885 U25.28@5.75,52.51
NetR84_1: R84.1 U3.15 | length 67.5
  Top w0.25: v1(-31.254,50.45) -30.85,50.45 -30.375,49.975 -28.625,49.975 -28.4,50.2 -28.4,50.968 -28.118,51.25 U3.15@-26.075,51.25 ; v1(5.25,57.25) 5.25,55.66 R84.1@5.275,55.635
  Internal w0.25: v1@-31.254,50.47 -33.25,50.47 -34.875,52.095 -34.875,61.691 -34.316,62.25 3.525,62.25 6.55,59.225 6.55,58.175 5.625,57.25 v1(5.25,57.25)
NetR84_2: R84.2 U25.27 | length 2.5
  Top w0.3: R84.2@5.275,54.635 5.3,54.61 5.3,54.035 6.25,53.085 U25.27@6.25,52.51
NetR85_1: R85.1 U3.14 | length 63.4
  Top w0.25: v1(-26.462,51.75) U3.14@-26.075,51.75 ; v1(5.771,58.799) 5.771,58.728 6.021,58.478 6.021,55.864 R85.1@6.25,55.635
  Internal w0.25: v1(-26.462,51.75) -26.902,51.311 -33.373,51.311 -34.405,52.343 -34.405,61.424 -33.979,61.85 3.3,61.85 5.8,59.35 v1@5.8,58.785
NetR85_2: R85.2 U25.26 | length 2.3
  Top w0.3: R85.2@6.275,54.609 6.275,53.885 6.75,53.41 U25.26@6.75,52.51
NetR86_1: R86.1 U4.5 | length 73.7
  Top w0.25: v1(-45.75,49) -45.721,49.029 -45.471,49.029 -45.2,49.3 U4.5@-45.2,49.95 ; R86.1@7.25,55.635 v1(7.25,56.25)
  Internal w0.25: v1(-45.75,49) -45.485,49.265 -40.485,49.265 -39.25,50.5 -38,50.5 -37,51.5 -37,61.828 -34.978,63.85 4.188,63.85 8.175,59.863 8.175,57.175 v1(7.25,56.25)
NetR86_2: R86.2 U25.25 | length 2.1
  Top w0.3: U25.25@7.25,52.51 R86.2@7.25,54.635
NetR87_1: R87.1 U4.13 | length 67.6
  Top w0.2: U4.13@-41.2,50.95 -40.212,50.95 v1(-40.112,50.85)
  Top w0.25: R87.1@8.25,55.635 v1(8.25,56.25)
  Internal w0.25: v1(-40.112,50.85) -39.962,51 -38.25,51 -37.5,51.75 -37.5,61.894 -35.144,64.25 4.353,64.25 8.575,60.028 8.575,56.645 8.25,56.32 v1(8.25,56.25)
NetR87_2: R87.2 U25.24 | length 2.3
  Top w0.3: U25.24@7.75,52.51 7.75,53.41 8.225,53.885 R87.2@8.225,54.609
NetR88_1: R88.1 U4.4 | length 75
  Top w0.25: v1(-46.475,50.4) -46.425,50.45 U4.4@-45.2,50.45 ; R88.1@9.225,55.635 v1(9.225,56.25)
  Internal w0.25: v1(-46.475,50.4) -41.57,50.4 -40.47,51.5 -38.5,51.5 -38,52 -38,61.96 -35.31,64.65 4.519,64.65 9.225,59.944 v1(9.225,56.25)
NetR88_2: R88.2 U25.23 | length 2.5
  Top w0.3: U25.23@8.25,52.51 8.25,53.085 9.2,54.035 9.2,54.61 R88.2@9.225,54.635
NetR89_1: R89.1 U4.3 | length 75.9
  Top w0.25: v1(-46.479,51.142) -46.439,51.142 -46.247,50.95 U4.3@-45.2,50.95 ; R89.1@10.25,55.635 v1(10.25,56.25)
  Internal w0.25: v1(-46.479,51.142) -45.192,51.142 -44.94,50.89 -42.01,50.89 -40.9,52 -38.75,52 -38.5,52.25 -38.5,62.025 -35.475,65.05 4.685,65.05 9.725,60.01 9.725,56.775 v1(10.25,56.25)
NetR89_2: R89.2 U25.22 | length 2.6
  Top w0.3: U25.22@8.75,52.51 10.125,53.885 R89.2@10.125,54.51
NetR90_2: R90.2 U25.21 | length 2.6
  Top w0.3: U25.21@9.125,52.135 10.5,53.51 R90.2@11.125,53.51
NetR91_2: R91.2 U25.20 | length 2.5
  Top w0.3: U25.20@9.125,51.635 9.7,51.635 10.65,52.585 11.2,52.585 R91.2@11.25,52.635
NetR92_1: R92.1 R108.2 U17.2 | length 10.5
  Top w0.4: R92.1@12.318,51.567 R92.1@12.25,51.635 13.365,51.635 13.9,51.1 R108.2@14,51.1 14.766,51.866 16.384,51.866 17.25,51 20.4,51 20.69,51.29 U17.2@20.69,52.235
NetR92_2: R92.2 U25.19 | length 2.3
  Top w0.3: U25.19@9.125,51.135 10.025,51.135 10.5,51.61 R92.2@11.225,51.61
NetR94_1: R94.1 R109.2 U17.3 | length 11.8
  Top w0.4: R94.1@12.25,50.635 12.25,50.576 12.924,50.576 13.2,50.3 14.7,50.3 R109.2@15.5,51.1 15.6,51.1 16.3,50.4 21.1,50.4 21.96,51.26 U17.3@21.96,52.235
NetR94_2: R94.2 U25.18 | length 2.1
  Top w0.3: U25.18@9.125,50.635 R94.2@11.25,50.635
NetR95_1: R95.1 U25.5 | length 2.3
  Top w0.3: R95.1@3.276,49.66 4,49.66 4.475,50.135 U25.5@5.375,50.135
NetR96_2: R96.2 U25.17 | length 2.3
  Top w0.3: U25.17@9.125,50.135 10.025,50.135 10.5,49.66 R96.2@11.225,49.66
NetR97_2: R97.2 U25.6 | length 2.5
  Top w0.3: R97.2@3.25,48.635 3.3,48.685 3.85,48.685 4.8,49.635 U25.6@5.375,49.635
NetR98_2: R98.2 U25.16 | length 2.5
  Top w0.3: U25.16@9.125,49.635 9.7,49.635 10.65,48.685 11.2,48.685 R98.2@11.25,48.635
NetR99_2: R99.2 U25.7 | length 2.6
  Top w0.3: R99.2@3.375,47.76 4,47.76 U25.7@5.375,49.135
NetR100_2: R100.2 U25.15 | length 2.6
  Top w0.3: U25.15@9.125,49.135 10.5,47.76 R100.2@11.125,47.76
NetR101_2: R101.2 U25.8 | length 2.7
  Top w0.3: R101.2@4.25,46.635 4.375,46.76 4.375,47.385 U25.8@5.75,48.76
NetR102_2: R102.2 U25.9 | length 2.6
  Top w0.3: R102.2@5.25,46.635 5.3,46.635 5.3,47.235 6.25,48.185 U25.9@6.25,48.76
NetR103_2: R103.2 U25.10 | length 2.3
  Top w0.3: R103.2@6.25,46.635 6.275,46.66 6.275,47.385 6.75,47.86 U25.10@6.75,48.76
NetR104_2: R104.2 U25.11 | length 2.1
  Top w0.3: R104.2@7.25,46.635 U25.11@7.25,48.76
NetR105_1: R105.1 U3.18 | length 88.5
  Top w0.25: v1(-26.462,49.75) U3.18@-26.075,49.75 ; v1(8.25,45.02) R105.1@8.25,45.635
  Internal w0.2: v1@-26.467,49.755 v1(-26.462,49.75)
  Internal w0.25: v1@-26.467,49.755 -26.492,49.78 -27.12,49.78 -27.7,49.2 -33.7,49.2 -36,51.5 -36,61.697 -34.647,63.05 3.856,63.05 7.375,59.531 7.375,57.869 6.135,56.629 6.135,55.69 6.75,55.075 11.225,55.075 11.475,54.825 11.475,48.244 v1(8.25,45.02)
NetR105_2: R105.2 U25.12 | length 2.3
  Top w0.3: U25.12@7.75,48.76 7.75,47.86 8.225,47.385 8.225,46.66 R105.2@8.25,46.635
NetR106_1: R106.1 U3.19 | length 90.3
  Top w0.25: v1(-26.9,49.25) U3.19@-26.075,49.25 ; v1(9.25,45.02) R106.1@9.25,45.635
  Internal w0.25: v1(-26.9,49.25) -26.9,49.2 -27.3,48.8 -34.025,48.8 -36.5,51.275 -36.5,61.763 -34.813,63.45 4.022,63.45 7.775,59.697 7.775,57.703 6.575,56.503 6.575,55.875 6.95,55.5 11.366,55.5 11.875,54.991 11.875,47.644 v1(9.25,45.02)
NetR106_2: R106.2 U25.13 | length 2.6
  Top w0.3: U25.13@8.25,48.76 8.25,48.185 9.2,47.235 9.2,46.635 R106.2@9.25,46.635
NetR107_1: R107.1 U4.12 | length 97.6
  Top w0.2: U4.12@-41.2,50.45 v1(-40.612,50.45)
  Top w0.25: v1(10.25,45.02) R107.1@10.25,45.635
  Internal w0.25: v1(-40.612,50.45) -41.312,49.75 -41.387,49.675 -46.775,49.675 -47.2,50.1 -47.2,52 -46.7,52.5 -39.2,52.5 -39,52.7 -39,62.091 -35.641,65.45 4.85,65.45 10.125,60.175 10.125,57.306 12.275,55.156 12.275,47.069 v1@10.295,45.089
NetR107_2: R107.2 U25.14 | length 2.7
  Top w0.3: U25.14@8.75,48.76 10.125,47.385 10.125,46.76 R107.2@10.25,46.635
NetR110_1: R110.1 ScrewDGND.0 | length 2.6
  Top w0.5: R110.1@-3.25,45.3 -1.226,45.3 ScrewDGND.0@-0.813,45.713
NetR120_2: R120.2 R121.1 Splt2.10 | length 5.9
  Top w0.635: R121.1@-29.536,-24.004 -27.634,-25.906 ccw(c-25.838,-24.11) -25.838,-26.65 Splt2.10@-24.625,-26.65
NetR123_2: R123.2 R124.1 Splt2.7 | length 12.6
  Top w0.635: Splt2.7@-20.73,-27.335 R123.2@-20.73,-15.975 R124.1@-20.73,-14.75